# KiCad board AnalogFNN.kicad_pcb (continued)
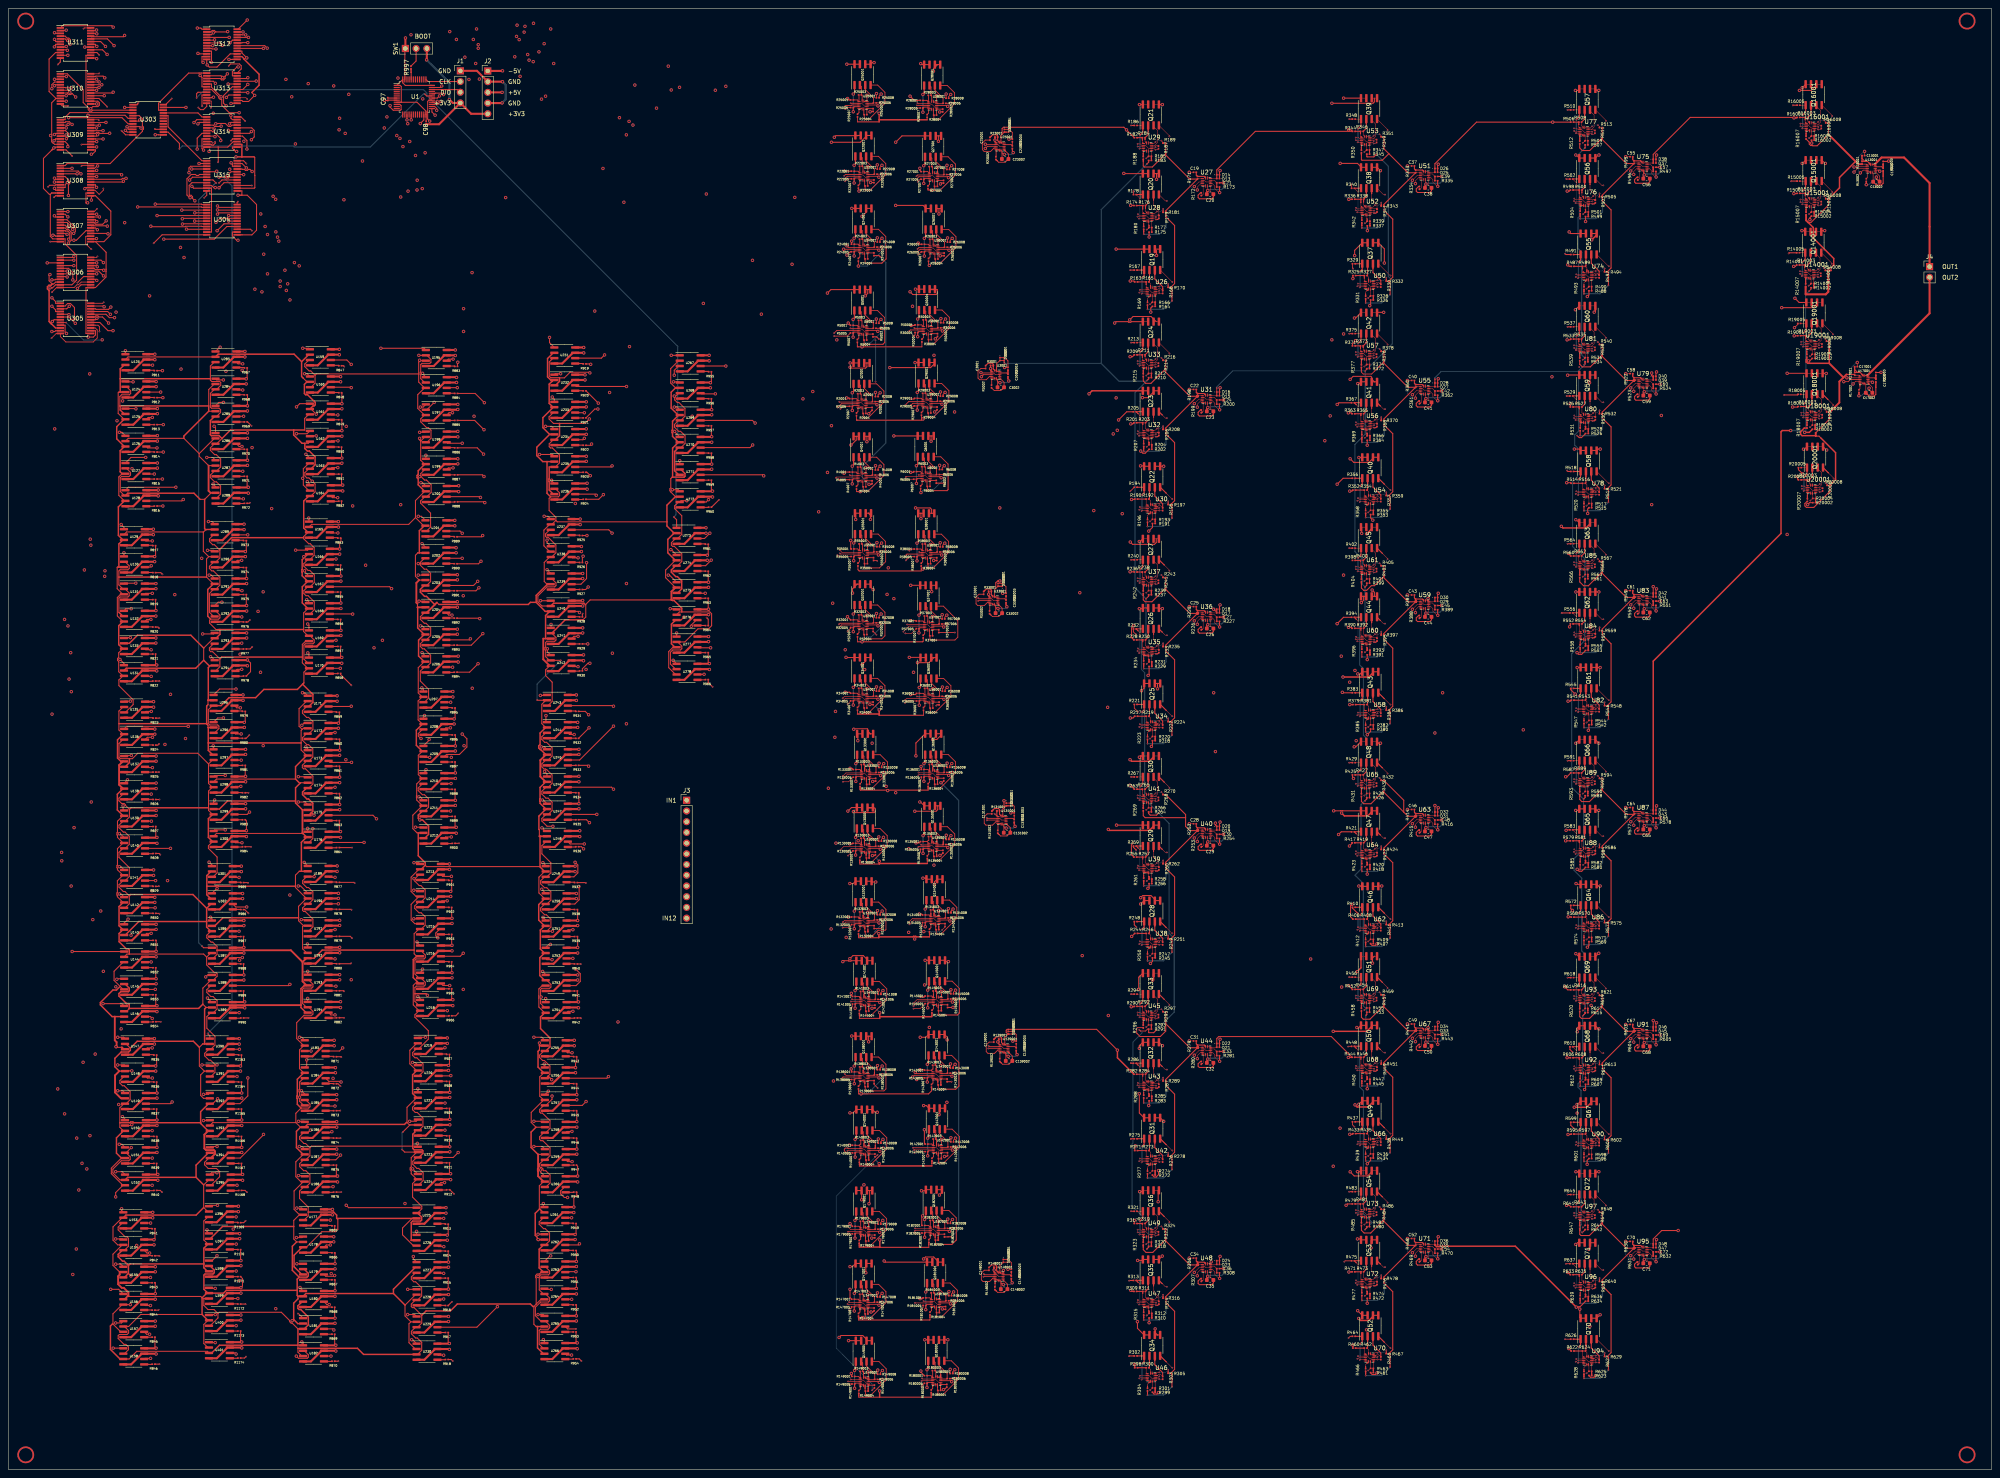
[diagram p0: board, top side]
## Routing (per net, layer and track width the routed paths; a pad name or vN(x,y) marks a point on that pad's centre or on a via; arc(x,y) is an arc through that point) (continued)
Net-(Q65B-S2): length 8.5
  Top w0.1: 376.1,146.79 376.1,147.84 374.83,149.11 374.83,151.73 ; 374.5,146.86 375.97,146.86
  Top w0.25: 375.97,146.86 376.03,146.86 376.1,146.79 ; 374.5,146.86 U88.11 ; 374.83,150.42 374.83,150.42 Q65.3
  Top w0.35: 376.1,146.79 R584.2
Net-(Q66A-G1): length 5.7
  Top w0.1: U89.14 372.82,164.34 R589.2
  Top w0.25: R589.2 373.56,165.95 373.56,167.04 ; 373.56,167.04 373.56,167.04 Q66.2 ; 373.56,167.04 373.56,168.13
Net-(Q66A-S1): length 7.3
  Top w0.1: R591.2 372.27,168.11 ; v2(371.5,162.61) U89.4
  Top w0.25: v2(371.6,165.81) 372.29,166.5 372.29,167.32
  Bottom w0.25: v2(371.5,162.61) 371.6,162.71 v2(371.6,165.81)
Net-(Q66B-G2): length 15.1
  Top w0.1: v2(378.6,165.51) 378.6,165.64 Q66.4 ; v2(373.1,160.31) 373.18,160.31 R590.2 373.68,161.98 U89.7
  In1.Cu w0.1: v2(378.6,165.51) 378.6,162.61 376.3,160.31 v2(373.1,160.31)
Net-(Q66B-S2): length 6.9
  Top w0.1: 375.13,163.41 U89.11 ; 375.13,163.41 375.62,163.41 375.8,163.23 R592.2 ; 375.13,163.41 375.8,164.07 375.8,166.9 374.83,167.86
Net-(Q67A-G1): length 5.6
  Top w0.1: U90.14 374.1,79.18 373.76,79.52
  Top w0.25: 373.86,82.39 373.86,81.1 ; 373.86,81.1 373.86,79.71 R597.2 ; 373.86,81.1 Q67.2
Net-(Q67A-S1): length 8.3
  Top w0.1: v2(372,76.76) 372.15,76.91 U90.4
  Top w0.25: R599.2 372.57,82.36 ; v2(372.1,80.56) 372.59,81.06 372.59,81.72
  Bottom w0.25: v2(372,76.76) 372.1,76.86 v2(372.1,80.56)
Net-(Q67B-G2): length 17.4
  Top w0.1: U90.7 374.58,76.28 R598.2 374.08,74.26 v2(374,74.26) ; Q67.4 379.23,79.56 v2(379.3,79.56)
  In1.Cu w0.1: v2(374,74.26) 379.2,74.26 379.7,74.76 379.7,79.16 v2(379.3,79.56)
Net-(Q67B-S2): length 9.3
  Top w0.1: U90.11 375.77,77.71 376.02,77.96 376.52,77.96 R600.2
  Top w0.25: 375.13,82.39 375.13,81.33 ; 375.13,81.33 375.13,81.33 Q67.3 ; 375.13,81.33 375.13,80.27 377,78.4 R600.2 ; U90.11 375.72,77.71
Net-(Q68A-G1): length 5.8
  Top w0.1: R608.2 372.92,96.29 U92.14
  Top w0.25: 373.56,99.3 373.56,98.31 R608.2 ; 373.56,99.3 Q68.2 373.56,99.3
Net-(Q68A-S1): length 8.8
  Top w0.1: v2(371.6,98.46) 371.6,99.38 R610.2 ; v2(371.4,94.56) U92.4
  Top w0.25: 372.29,100.29 370.74,100.29
  Bottom w0.1: v2(371.4,94.56) 371.6,94.76 v2(371.6,98.46)
Net-(Q68B-G2): length 16.6
  Top w0.1: v2(378,98.76) 377.63,98.76 Q68.4 ; 373.7,93.79 373.7,92.54 ; v2(373.2,91.96) 373.28,91.96 R609.2
  Top w0.25: 373.7,93.79 373.7,93.79 U92.7
  Top w0.35: 373.7,93.05 373.78,92.97 R609.2
  In1.Cu w0.1: v2(373.2,91.96) 376.6,91.96 378.5,93.86 378.5,98.26 v2(378,98.76)
Net-(Q68B-S2): length 8.5
  Top w0.1: 376.1,95.35 376.1,96.4 374.83,97.66 374.83,100.29 ; 374.5,95.41 375.97,95.41
  Top w0.25: 374.5,95.41 U92.11 ; Q68.3 374.83,98.98 374.83,98.98 ; 375.97,95.41 376.03,95.41 376.1,95.35
  Top w0.35: 376.1,95.35 R611.2
Net-(Q69A-G1): length 5.7
  Top w0.1: U93.14 372.82,112.89 R616.2
  Top w0.25: Q69.2 373.56,115.6 373.56,115.6 ; R616.2 373.56,114.51 373.56,115.6 ; 373.56,115.6 373.56,116.69
Net-(Q69A-S1): length 7.3
  Top w0.1: v2(371.5,111.16) U93.4 ; R618.2 372.27,116.66
  Top w0.25: 372.29,115.87 372.29,115.06 v2(371.6,114.36)
  Bottom w0.25: v2(371.5,111.16) 371.6,111.26 v2(371.6,114.36)
Net-(Q69B-G2): length 15.1
  Top w0.1: U93.7 373.68,110.53 R617.2 373.18,108.86 v2(373.1,108.86) ; v2(378.6,114.06) 378.6,114.19 Q69.4
  In1.Cu w0.1: v2(378.6,114.06) 378.6,111.16 376.3,108.86 v2(373.1,108.86)
Net-(Q69B-S2): length 6.9
  Top w0.1: R619.2 375.8,111.78 375.62,111.96 375.13,111.96 ; 375.13,111.96 375.8,112.62 375.8,115.45 374.83,116.42 ; 375.13,111.96 U93.11
Net-(Q70A-G1): length 5.6
  Top w0.1: 373.76,28.08 374.1,27.74 U94.14
  Top w0.25: 373.86,29.66 373.86,28.26 R624.2 ; 373.86,29.66 373.86,30.94 ; 373.86,29.66 Q70.2
Net-(Q70A-S1): length 8.3
  Top w0.1: v2(372,25.32) 372.15,25.47 U94.4
  Top w0.25: v2(372.1,29.12) 372.59,29.61 372.59,30.28 ; R626.2 372.57,30.92
  Bottom w0.25: v2(372.1,29.12) 372.1,25.42 v2(372,25.32)
Net-(Q70B-G2): length 17.4
  Top w0.1: v2(374,22.82) 374.08,22.82 R625.2 374.58,24.84 U94.7 ; v2(379.3,28.12) 379.23,28.12 Q70.4
  In1.Cu w0.1: v2(379.3,28.12) 379.7,27.72 379.7,23.32 379.2,22.82 v2(374,22.82)
Net-(Q70B-S2): length 9.3
  Top w0.1: R627.2 376.52,26.51 376.02,26.51 375.77,26.27 U94.11
  Top w0.25: 375.13,29.88 375.13,28.82 377,26.96 R627.2 ; 375.13,29.88 375.13,30.94 ; 375.13,29.88 375.13,29.88 Q70.3 ; U94.11 375.72,26.27
Net-(Q71A-G1): length 5.8
  Top w0.1: R635.2 372.92,44.85 U96.14
  Top w0.25: 373.56,48.84 373.56,47.85 ; 373.56,47.85 373.56,46.86 R635.2 ; 373.56,47.85 373.56,47.85 Q71.2
Net-(Q71A-S1): length 8.8
  Top w0.1: v2(371.6,47.02) 371.6,47.94 R637.2 ; v2(371.4,43.12) U96.4
  Top w0.25: 372.29,48.84 370.74,48.84
  Bottom w0.1: v2(371.6,47.02) 371.6,43.32 v2(371.4,43.12)
Net-(Q71B-G2): length 16.6
  Top w0.1: v2(378,47.32) 377.63,47.32 Q71.4 ; v2(373.2,40.52) 373.28,40.52 R636.2 ; 373.7,41.1 373.7,42.34
  Top w0.25: 373.7,42.34 373.7,42.34 U96.7
  Top w0.35: R636.2 373.78,41.53 373.7,41.61
  In1.Cu w0.1: v2(373.2,40.52) 376.6,40.52 378.5,42.42 378.5,46.82 v2(378,47.32)
Net-(Q71B-S2): length 8.5
  Top w0.1: 374.5,43.97 375.97,43.97 ; 376.1,43.9 376.1,44.95 374.83,46.22 374.83,48.84
  Top w0.25: 374.83,47.53 374.83,47.53 Q71.3 ; 374.5,43.97 U96.11 ; 375.97,43.97 376.03,43.97 376.1,43.9
  Top w0.35: 376.1,43.9 R638.2
Net-(Q72A-G1): length 5.7
  Top w0.1: U97.14 372.82,61.45 R643.2
  Top w0.25: 373.56,64.15 373.56,64.15 Q72.2 ; 373.56,64.15 373.56,65.24 ; 373.56,64.15 373.56,63.06 R643.2
Net-(Q72A-S1): length 7.3
  Top w0.1: v2(371.5,59.72) U97.4 ; R645.2 372.27,65.22
  Top w0.25: 372.29,64.43 372.29,63.61 v2(371.6,62.92)
  Bottom w0.25: v2(371.5,59.72) 371.6,59.82 v2(371.6,62.92)
Net-(Q72B-G2): length 15.1
  Top w0.1: v2(378.6,62.62) 378.6,62.75 Q72.4 ; v2(373.1,57.42) 373.18,57.42 R644.2 373.68,59.09 U97.7
  In1.Cu w0.1: v2(373.1,57.42) 376.3,57.42 378.6,59.72 v2(378.6,62.62)
Net-(Q72B-S2): length 6.9
  Top w0.1: R646.2 375.8,60.34 375.62,60.52 375.13,60.52 ; 375.13,60.52 375.8,61.18 375.8,64.01 374.83,64.97 ; 375.13,60.52 U97.11
Net-(Q2001A-G1): length 4
  Top w0.2: U2001.14 202.09,254.97 R2003.2 201.91,257.12 Q2001.2
Net-(Q2001A-S1): length 8.8
  Top w0.2: R2005.2 200.21,252.35 U2001.4
  Top w0.25: v1(199.99,251.15) 199.99,252.13 ; v1(199.99,255.35) 200.28,255.64 Q2001.1
  Bottom w0.25: v1(199.99,255.35) v1(199.99,251.15)
Net-(Q2001B-G2): length 15.4
  Top w0.2: U2001.7 202.49,250.53 ; Q2001.4 205.76,257.48 207.49,255.75 207.49,253.16 203.78,249.45 202.59,249.45 202.59,250.43
Net-(Q2001B-S2): length 6.5
  Top w0.2: U2001.11 204.67,253.15 ; R2006.2 204.77,254.46 202.82,256.4 Q2001.3
Net-(Q4001A-G1): length 4
  Top w0.2: Q4001.2 201.91,239.72 R4003.2 202.09,237.57 U4001.14
Net-(Q4001A-S1): length 8.8
  Top w0.2: R4005.2 200.21,234.95 U4001.4
  Top w0.25: Q4001.1 200.28,238.25 v1(199.99,237.95) ; v1(199.99,233.75) 199.99,234.73
  Bottom w0.25: v1(199.99,237.95) v1(199.99,233.75)
Net-(Q4001B-G2): length 15.4
  Top w0.2: Q4001.4 205.76,240.07 207.49,238.35 207.49,235.76 203.78,232.05 202.59,232.05 202.59,233.03 ; U4001.7 202.49,233.13
Net-(Q4001B-S2): length 6.5
  Top w0.2: R4006.2 204.77,237.06 202.82,239 Q4001.3 ; U4001.11 204.67,235.75
Net-(Q5001A-G1): length 4
  Top w0.2: U5001.14 202.29,272.37 R5003.2 202.11,274.52 Q5001.2
Net-(Q5001A-S1): length 8.8
  Top w0.2: U5001.4 200.41,269.75 R5005.2
  Top w0.25: Q5001.1 200.49,273.05 v1(200.19,272.75) ; v1(200.19,268.55) 200.19,269.53
  Bottom w0.25: v1(200.19,272.75) v1(200.19,268.55)
Net-(Q5001B-G2): length 17.3
  Top w0.2: 207.69,270.56 207.69,273.15 205.97,274.88 Q5001.4 ; U5001.7 202.69,267.93 ; 202.79,267.83 202.79,266.85 203.98,266.85
  Top w0.25: 203.98,266.85 207.25,266.85 207.69,267.29 207.69,270.56
Net-(Q5001B-S2): length 6.5
  Top w0.2: Q5001.3 203.03,273.8 204.97,271.86 R5006.2 ; U5001.11 204.87,270.55
Net-(Q6001A-G1): length 4
  Top w0.2: Q6001.2 217.11,239.82 R6003.2 217.29,237.67 U6001.14
Net-(Q6001A-S1): length 8.8
  Top w0.2: R6005.2 215.41,235.05 U6001.4
  Top w0.25: v1(215.19,233.85) 215.19,234.83 ; v1(215.19,238.05) 215.49,238.34 Q6001.1
  Bottom w0.25: v1(215.19,238.05) v1(215.19,233.85)
Net-(Q6001B-G2): length 17.4
  Top w0.2: U6001.7 217.69,233.23 ; 217.79,233.13 217.79,232.15 218.98,232.15 ; 222.69,235.86 222.69,238.45 220.97,240.18 Q6001.4
  Top w0.25: 218.98,232.15 222.45,232.15 222.7,232.4 222.7,235.85 222.69,235.86
Net-(Q6001B-S2): length 6.5
  Top w0.2: R6006.2 219.97,237.16 218.03,239.11 Q6001.3 ; U6001.11 219.87,235.85
Net-(Q14001A-G1): length 6.3
  Top w0.1: 426.36,285.65 426.36,284.78 426.74,284.4
  Top w0.25: 427.11,287.49 Q14001.2 427.11,287.49 ; 427.11,287.49 427.11,286.4 426.36,285.65 ; R14003.2 426.36,285.26 426.36,285.25 ; 426.59,284.55 U14001.14
Net-(Q14001A-S1): length 7.3
  Top w0.1: v2(425.04,283.05) U14001.4 ; R14005.2 425.81,288.55
  Top w0.25: v2(425.14,286.25) 425.84,286.95 425.84,287.76
  Bottom w0.25: v2(425.04,283.05) 425.14,283.15 v2(425.14,286.25)
Net-(Q14001B-G2): length 15.3
  Top w0.1: U14001.7 427.22,282.42 427.22,281.25 426.72,280.75 v2(426.64,280.75) ; v2(432.14,285.95) 432.14,286.08 Q14001.4
  Top w0.25: 427.07,281.1 R14004.2
  In1.Cu w0.1: v2(432.14,285.95) 432.14,283.05 429.84,280.75 v2(426.64,280.75)
Net-(Q14001B-S2): length 6.9
  Top w0.1: 428.68,283.85 429.34,284.52 429.34,287.34 428.38,288.31 ; 428.68,283.85 U14001.11 ; 428.68,283.85 429.16,283.85 429.34,283.67 429.54,283.67
Net-(Q15001A-G1): length 6.3
  Top w0.1: 426.84,301.4 426.46,301.78 426.46,302.65
  Top w0.25: 426.46,302.65 427.21,303.4 427.21,304.49 ; 427.21,304.49 Q15001.2 427.21,304.49 ; 426.46,302.25 426.46,302.26 R15003.2 ; 426.69,301.55 U15001.14
Net-(Q15001A-S1): length 7.3
  Top w0.1: v2(425.14,300.05) U15001.4 ; R15005.2 425.91,305.55
  Top w0.25: 425.94,304.76 425.94,303.95 v2(425.24,303.25)
  Bottom w0.25: v2(425.14,300.05) 425.24,300.15 v2(425.24,303.25)
Net-(Q15001B-G2): length 15.3
  Top w0.1: U15001.7 427.32,299.42 427.32,298.25 426.82,297.75 v2(426.74,297.75) ; Q15001.4 432.24,303.08 v2(432.24,302.95)
  Top w0.25: 427.17,298.1 R15004.2
  In1.Cu w0.1: v2(432.24,302.95) 432.24,300.05 429.94,297.75 v2(426.74,297.75)
Net-(Q15001B-S2): length 6.9
  Top w0.1: 429.64,300.67 429.44,300.67 429.26,300.85 428.78,300.85 ; 428.78,300.85 U15001.11 ; 428.78,300.85 429.44,301.52 429.44,304.34 428.48,305.31
Net-(Q16001A-G1): length 6.3
  Top w0.1: 426.84,319.4 426.46,319.78 426.46,320.65
  Top w0.25: 426.46,320.25 426.46,320.26 R16003.2 ; 427.21,322.49 Q16001.2 427.21,322.49 ; 427.21,322.49 427.21,321.4 426.46,320.65 ; 426.69,319.55 U16001.14
Net-(Q16001A-S1): length 7.3
  Top w0.1: v2(425.14,318.05) U16001.4 ; R16005.2 425.91,323.55
  Top w0.25: v2(425.24,321.25) 425.94,321.95 425.94,322.76
  Bottom w0.25: v2(425.24,321.25) 425.24,318.15 v2(425.14,318.05)
Net-(Q16001B-G2): length 15.3
  Top w0.1: v2(432.24,320.95) 432.24,321.08 Q16001.4 ; v2(426.74,315.75) 426.82,315.75 427.32,316.25 427.32,317.42 U16001.7
  Top w0.25: 427.17,316.1 R16004.2
  In1.Cu w0.1: v2(432.24,320.95) 432.24,318.05 429.94,315.75 v2(426.74,315.75)
Net-(Q16001B-S2): length 6.9
  Top w0.1: 429.64,318.67 429.44,318.67 429.26,318.85 428.78,318.85 ; 428.78,318.85 U16001.11 ; 428.78,318.85 429.44,319.52 429.44,322.34 428.48,323.31
Net-(Q18001A-G1): length 5.7
  Top w0.1: R18003.2 426.68,251.23 U18001.14
  Top w0.25: 427.42,255.03 427.42,253.94 ; 427.42,253.94 427.42,253.94 Q18001.2 ; 427.42,253.94 427.42,252.84 R18003.2
Net-(Q18001A-S1): length 7.3
  Top w0.1: v2(425.36,249.5) U18001.4 ; R18005.2 426.13,255
  Top w0.25: v2(425.46,252.7) 426.15,253.39 426.15,254.21
  Bottom w0.25: v2(425.46,252.7) 425.46,249.6 v2(425.36,249.5)
Net-(Q18001B-G2): length 16.8
  Top w0.1: v2(432.46,252.4) 432.46,252.53 429.96,255.03 ; 427.5,248.91 427.54,248.87 R18004.2 427.04,247.2 v2(426.96,247.2)
  Top w0.25: 427.5,248.91 U18001.7 ; 431.21,253.78 Q18001.4
  In1.Cu w0.1: v2(426.96,247.2) 430.16,247.2 432.46,249.5 v2(432.46,252.4)
Net-(Q18001B-S2): length 6.9
  Top w0.1: 428.69,254.75 429.66,253.79 429.66,250.96 428.99,250.3 ; 428.99,250.3 429.48,250.3 429.66,250.12 R18006.2 ; 428.99,250.3 U18001.11
Net-(Q19001A-G1): length 5.7
  Top w0.1: R19003.2 426.63,268.03 U19001.14
  Top w0.25: 427.37,270.73 427.37,269.64 R19003.2 ; 427.37,270.73 Q19001.2 427.37,270.73
Net-(Q19001A-S1): length 7.3
  Top w0.1: v2(425.31,266.3) U19001.4 ; R19005.2 426.08,271.8
  Top w0.25: v2(425.41,269.5) 426.1,270.19 426.1,271.01
  Bottom w0.25: v2(425.41,269.5) 425.41,266.4 v2(425.31,266.3)
Net-(Q19001B-G2): length 15.3
  Top w0.1: U19001.7 427.49,265.67 R19004.2 426.99,264 v2(426.91,264) ; Q19001.4 432.41,269.33 v2(432.41,269.2)
  Top w0.25: 427.33,264.35 R19004.2
  In1.Cu w0.1: v2(432.41,269.2) 432.41,266.3 430.11,264 v2(426.91,264)
Net-(Q19001B-S2): length 6.9
  Top w0.1: U19001.11 428.94,267.1 ; 428.64,271.55 429.61,270.59 429.61,267.76 428.94,267.1 ; 428.94,267.1 429.43,267.1 429.61,266.92 R19006.2
Net-(Q20001A-G1): length 5.7
  Top w0.1: U20001.14 426.78,233.83 R20003.2
  Top w0.25: 427.52,236.53 427.52,235.44 R20003.2 ; 427.52,236.53 427.52,236.54 Q20001.2 ; 427.52,236.53 427.52,237.62
Net-(Q20001A-S1): length 7.3
  Top w0.1: v2(425.46,232.1) U20001.4 ; R20005.2 426.23,237.6
  Top w0.25: 426.25,236.81 426.25,236 v2(425.56,235.3)
  Bottom w0.25: v2(425.56,235.3) 425.56,232.2 v2(425.46,232.1)
Net-(Q20001B-G2): length 16.8
  Top w0.1: 430.06,237.62 432.56,235.13 v2(432.56,235) ; 427.6,231.51 427.64,231.47 R20004.2 427.14,229.8 v2(427.06,229.8)
  Top w0.25: 427.6,231.51 U20001.7 ; 431.31,236.38 Q20001.4
  In1.Cu w0.1: v2(427.06,229.8) 430.26,229.8 432.56,232.1 v2(432.56,235)
Net-(Q20001B-S2): length 6.9
  Top w0.1: 429.09,232.9 429.76,233.56 429.76,236.39 428.79,237.35 ; 429.09,232.9 U20001.11 ; 429.09,232.9 429.58,232.9 429.76,232.72 R20006.2
Net-(Q22001A-G1): length 4
  Top w0.2: Q22001.2 202.35,311.07 R22003.2 202.53,308.92 U22001.14
Net-(Q22001A-S1): length 8.8
  Top w0.2: U22001.4 200.65,306.3 R22005.2
  Top w0.25: v1(200.43,305.1) 200.43,306.08 ; 200.72,311.43 200.72,309.6 v1(200.43,309.3)
  Bottom w0.25: v1(200.43,309.3) v1(200.43,305.1)
Net-(Q22001B-G2): length 15.4
  Top w0.2: Q22001.4 206.2,311.43 207.93,309.7 207.93,307.11 204.22,303.4 203.03,303.4 203.03,304.38 ; U22001.7 202.93,304.48
Net-(Q22001B-S2): length 6.5
  Top w0.2: 203.26,311.43 203.26,310.35 205.21,308.41 R22006.2 ; U22001.11 205.11,307.1
Net-(Q24001A-G1): length 4
  Top w0.2: U24001.14 202.53,291.62 R24003.2 202.35,293.77 Q24001.2
Net-(Q24001A-S1): length 8.8
  Top w0.2: R24005.2 200.65,289 U24001.4
  Top w0.25: v1(200.43,287.8) 200.43,288.78 ; 200.72,294.12 200.72,292.3 v1(200.43,292)
  Bottom w0.25: v1(200.43,292) v1(200.43,287.8)
Net-(Q24001B-G2): length 17.1
  Top w0.2: Q24001.4 206.2,294.12 207.93,292.4 207.93,289.81 ; 204.22,286.1 203.03,286.1 203.03,287.08 ; U24001.7 202.93,287.18
  Top w0.25: 204.22,286.1 207,286.1 208,287.1 208,289.74 207.93,289.81
Net-(Q24001B-S2): length 6.5
  Top w0.2: 203.26,294.12 203.26,293.05 205.21,291.11 R24006.2 ; U24001.11 205.11,289.8
Net-(Q25001A-G1): length 4
  Top w0.2: U25001.14 202.33,325.82 R25003.2 202.15,327.97 Q25001.2
Net-(Q25001A-S1): length 8.8
  Top w0.2: R25005.2 200.45,323.2 U25001.4
  Top w0.25: Q25001.1 200.52,326.5 v1(200.23,326.2) ; v1(200.23,322) 200.23,322.98
  Bottom w0.25: v1(200.23,326.2) v1(200.23,322)
Net-(Q25001B-G2): length 15.4
  Top w0.2: Q25001.4 206,328.32 207.73,326.6 207.73,324.01 204.02,320.3 202.83,320.3 202.83,321.28 ; U25001.7 202.73,321.38
Net-(Q25001B-S2): length 6.5
  Top w0.2: U25001.11 204.91,324 ; R25006.2 205.01,325.31 203.06,327.25 Q25001.3
Net-(Q26001A-G1): length 4
  Top w0.2: U26001.14 219.16,291.6 R26003.2 218.98,293.75 Q26001.2
Net-(Q26001A-S1): length 8.8
  Top w0.2: R26005.2 217.28,288.98 U26001.4
  Top w0.25: v1(217.06,291.98) 217.36,292.27 Q26001.1 ; v1(217.06,287.77) 217.06,288.75
  Bottom w0.25: v1(217.06,291.98) v1(217.06,287.77)
Net-(Q26001B-G2): length 15.4
  Top w0.2: 219.66,287.06 219.66,286.07 220.85,286.07 224.56,289.79 224.56,292.38 222.84,294.1 Q26001.4 ; U26001.7 219.56,287.15
Net-(Q26001B-S2): length 6.5
  Top w0.2: U26001.11 221.74,289.77 ; R26006.2 221.84,291.08 219.9,293.03 Q26001.3
Net-(Q27001A-G1): length 4
  Top w0.2: Q27001.2 218.85,310.97 R27003.2 219.03,308.82 U27001.14
Net-(Q27001A-S1): length 8.8
  Top w0.2: R27005.2 217.15,306.2 U27001.4
  Top w0.25: v1(216.93,309.2) 217.22,309.5 217.22,311.32 ; v1(216.93,305) 216.93,305.98
  Bottom w0.25: v1(216.93,309.2) v1(216.93,305)
Net-(Q27001B-G2): length 15.4
  Top w0.2: 219.53,304.28 219.53,303.3 220.72,303.3 224.43,307.01 224.43,309.6 222.7,311.32 Q27001.4 ; U27001.7 219.43,304.38
Net-(Q27001B-S2): length 6.5
  Top w0.2: U27001.11 221.61,307 ; R27006.2 221.71,308.31 219.76,310.25 219.76,311.32
Net-(Q28001A-G1): length 4
  Top w0.2: Q28001.2 218.65,327.87 R28003.2 218.83,325.72 U28001.14
Net-(Q28001A-S1): length 8.8
  Top w0.2: U28001.4 216.95,323.1 R28005.2
  Top w0.25: Q28001.1 217.02,326.39 v1(216.73,326.1) ; v1(216.73,321.9) 216.73,322.88
  Bottom w0.25: v1(216.73,326.1) v1(216.73,321.9)
Net-(Q28001B-G2): length 15.4
  Top w0.2: 219.33,321.18 219.33,320.2 220.52,320.2 224.23,323.91 224.23,326.5 222.5,328.23 Q28001.4 ; U28001.7 219.23,321.28
Net-(Q28001B-S2): length 6.5
  Top w0.2: R28006.2 221.51,325.21 219.56,327.15 Q28001.3 ; U28001.11 221.41,323.9
Net-(Q29001A-G1): length 4
  Top w0.2: U29001.14 217.49,255.07 R29003.2 217.31,257.22 Q29001.2
Net-(Q29001A-S1): length 8.8
  Top w0.2: U29001.4 215.61,252.45 R29005.2
  Top w0.25: v1(215.39,255.45) 215.69,255.75 Q29001.1 ; v1(215.39,251.25) 215.39,252.23
  Bottom w0.25: v1(215.39,255.45) v1(215.39,251.25)
Net-(Q29001B-G2): length 15.4
  Top w0.2: 217.99,250.53 217.99,249.55 219.18,249.55 222.89,253.26 222.89,255.85 221.16,257.57 Q29001.4 ; U29001.7 217.89,250.63
Net-(Q29001B-S2): length 6.5
  Top w0.2: Q29001.3 218.22,256.5 220.17,254.56 R29006.2 ; U29001.11 220.07,253.25
Net-(Q30001A-G1): length 4
  Top w0.2: U30001.14 217.59,272.47 R30003.2 217.41,274.62 Q30001.2
Net-(Q30001A-S1): length 8.8
  Top w0.2: U30001.4 215.71,269.85 R30005.2
  Top w0.25: Q30001.1 215.78,273.14 v1(215.49,272.85) ; v1(215.49,268.65) 215.49,269.63
  Bottom w0.25: v1(215.49,272.85) v1(215.49,268.65)
Net-(Q30001B-G2): length 15.4
  Top w0.2: Q30001.4 221.26,274.98 222.99,273.25 222.99,270.66 219.28,266.95 218.09,266.95 218.09,267.93 ; U30001.7 217.99,268.03
Net-(Q30001B-S2): length 6.5
  Top w0.2: R30006.2 220.27,271.96 218.32,273.9 Q30001.3 ; U30001.11 220.17,270.65
Net-(Q32001A-G1): length 4
  Top w0.2: U32001.14 202.33,202.52 R32003.2 202.15,204.67 Q32001.2
Net-(Q32001A-S1): length 8.8
  Top w0.2: U32001.4 200.45,199.9 R32005.2
  Top w0.25: Q32001.1 200.52,203.19 v1(200.23,202.9) ; v1(200.23,198.7) 200.23,199.68
  Bottom w0.25: v1(200.23,202.9) v1(200.23,198.7)
Net-(Q32001B-G2): length 17.1
  Top w0.2: 202.83,197.98 202.83,197 207,197 207.73,197.73 207.73,203.3 206,205.03 Q32001.4 ; U32001.7 202.73,198.08
Net-(Q32001B-S2): length 6.5
  Top w0.2: U32001.11 204.91,200.7 ; Q32001.3 203.06,203.96 205.01,202.01 R32006.2
Net-(Q34001A-G1): length 4
  Top w0.2: Q34001.2 202.15,187.27 R34003.2 202.33,185.12 U34001.14
Net-(Q34001A-S1): length 8.8
  Top w0.2: U34001.4 200.45,182.5 R34005.2
  Top w0.25: Q34001.1 200.52,185.79 v1(200.23,185.5) ; v1(200.23,181.3) 200.23,182.28
  Bottom w0.25: v1(200.23,185.5) v1(200.23,181.3)
Net-(Q34001B-G2): length 15.4
  Top w0.2: U34001.7 202.73,180.68 ; Q34001.4 206,187.62 207.73,185.9 207.73,183.31 204.02,179.6 202.83,179.6 202.83,180.58
Net-(Q34001B-S2): length 6.5
  Top w0.2: U34001.11 204.91,183.3 ; Q34001.3 203.06,186.56 205.01,184.61 R34006.2
Net-(Q35001A-G1): length 4
  Top w0.2: Q35001.2 202.25,221.5 R35003.2 202.43,219.34 202.43,218.07
Net-(Q35001A-S1): length 8.8
  Top w0.2: U35001.4 200.55,216.72 R35005.2
  Top w0.25: Q35001.1 200.63,220.02 v1(200.33,219.72) ; v1(200.33,215.53) 200.33,216.5
  Bottom w0.25: v1(200.33,219.72) v1(200.33,215.53)
Net-(Q35001B-G2): length 16.8
  Top w0.2: Q35001.4 206.11,221.85 207.83,220.12 207.83,217.53 207.9,217.47 207.9,215.3 206.43,213.82 202.93,213.82 202.93,214.81 ; U35001.7 202.83,214.91
Net-(Q35001B-S2): length 6.5
  Top w0.2: Q35001.3 203.17,220.78 205.11,218.84 R35006.2 ; U35001.11 205.01,217.53
Net-(Q36001A-G1): length 4
  Top w0.2: U36001.14 217.96,185.09 R36003.2 217.78,187.25 Q36001.2
Net-(Q36001A-S1): length 8.8
  Top w0.2: 217.21,182.47 216.08,182.47 215.88,182.28
  Top w0.25: v1(215.86,185.47) 216.16,185.77 Q36001.1 ; v1(215.86,181.28) 215.86,182.25
  Bottom w0.25: v1(215.86,185.47) v1(215.86,181.28)
Net-(Q36001B-G2): length 15.4
  Top w0.2: 218.46,180.56 218.46,179.57 219.65,179.57 223.36,183.28 223.36,185.88 221.64,187.6 Q36001.4 ; U36001.7 218.36,180.66
Net-(Q36001B-S2): length 6.5
  Top w0.2: R36006.2 220.64,184.59 218.7,186.53 Q36001.3 ; U36001.11 220.54,183.28
Net-(Q37001A-G1): length 4
  Top w0.2: Q37001.2 217.72,204.4 R37003.2 217.9,202.25 U37001.14
Net-(Q37001A-S1): length 8.8
  Top w0.2: U37001.4 216.02,199.62 R37005.2
  Top w0.25: Q37001.1 216.09,202.92 v1(215.8,202.62) ; v1(215.8,198.43) 215.8,199.41
  Bottom w0.25: v1(215.8,202.62) v1(215.8,198.43)
Net-(Q37001B-G2): length 19.6
  Top w0.2: 218.4,197.71 218.4,196.72 224.32,196.72 225,197.4 225,201.3 223.3,203 223.3,203.03 221.57,204.75 Q37001.4 ; U37001.7 218.3,197.81
Net-(Q37001B-S2): length 6.5
  Top w0.2: R37006.2 220.58,201.74 218.63,203.68 Q37001.3 ; U37001.11 220.48,200.43
Net-(Q38001A-G1): length 4
  Top w0.2: 216.89,221.82 217.25,221.47 R38003.2 217.43,219.32 U38001.14
Net-(Q38001A-S1): length 8.8
  Top w0.2: R38005.2 215.55,216.7 U38001.4
  Top w0.25: v1(215.33,219.7) 215.62,220 215.62,221.82 ; v1(215.33,215.5) 215.33,216.48
  Bottom w0.25: v1(215.33,219.7) v1(215.33,215.5)
Net-(Q38001B-G2): length 15.4
  Top w0.2: 217.93,214.78 217.93,213.8 219.12,213.8 222.83,217.51 222.83,220.1 221.1,221.82 219.43,221.82 ; U38001.7 217.83,214.88
Net-(Q38001B-S2): length 6.5
  Top w0.2: R38006.2 220.11,218.81 218.16,220.75 218.16,221.82 ; U38001.11 220.01,217.5
Net-(Q130001A-G1): length 5.6
  Top w0.2: 202.87,148.28 202.87,149.54 R130003.2 202.69,151.69 Q130001.2
  Top w0.25: 202.87,148.91 202.87,148.28 ; 202.69,150.7 R130003.2
Net-(Q130001A-S1): length 9.8
  Top w0.2: R130005.2 200.99,146.93 202.12,146.93
  Top w0.25: v1(200.77,149.93) 201.07,150.22 201.07,151.13 ; 201.07,151.14 Q130001.1 201.07,151.13 ; v1(200.77,145.72) 200.77,146.71 ; 202.12,146.93 U130001.4
  Bottom w0.25: v1(200.77,149.93) v1(200.77,145.72)
Net-(Q130001B-G2): length 16
  Top w0.2: 203.37,145 203.37,144.03 204.56,144.03 208.27,147.74 208.27,150.32 206.55,152.05 Q130001.4 ; U130001.7 203.27,145.1
  Top w0.25: 203.27,145.74 U130001.7
Net-(Q130001B-S2): length 5.9
  Top w0.2: 205.45,147.72 U130001.11 ; R130006.2 205.55,149.03 203.61,150.98 203.61,151.51
Net-(Q132001A-G1): length 5.6
  Top w0.2: U132001.14 202.57,132.07 R132003.2 202.39,134.22 202.03,134.57
  Top w0.25: 202.39,133.23 R132003.2 ; 202.57,131.44 202.57,131.43 U132001.14
Net-(Q132001A-S1): length 9.8
  Top w0.2: R132005.2 200.69,129.45 U132001.4
  Top w0.25: v1(200.47,132.45) 200.76,132.75 200.76,133.66 ; 200.76,133.66 200.76,133.66 Q132001.1 ; 200.76,133.66 200.76,134.57 ; v1(200.47,128.25) 200.47,129.23
  Bottom w0.25: v1(200.47,132.45) v1(200.47,128.25)
Net-(Q132001B-G2): length 17.3
  Top w0.2: U132001.7 202.97,127.63 ; 203.07,127.53 203.07,126.55 204.77,126.55 206.12,127.9 207.8,127.9 207.97,128.07 207.97,132.85 206.24,134.57 Q132001.4
  Top w0.25: U132001.7 202.97,128.27 202.97,128.26
Net-(Q132001B-S2): length 5.9
  Top w0.2: 203.3,134.04 203.3,133.5 205.25,131.56 R132006.2 ; 205.15,130.25 U132001.11
Net-(Q133001A-G1): length 5.6
  Top w0.2: Q133001.2 202.76,169.17 R133003.2 202.94,167.02 U133001.14
  Top w0.25: 202.76,168.18 R133003.2 ; 202.94,166.38 U133001.14
Net-(Q133001A-S1): length 9.8
  Top w0.2: R133005.2 201.06,164.4 U133001.4
  Top w0.25: 201.13,168.61 201.13,167.69 v1(200.84,167.4) ; 201.13,168.61 Q133001.1 201.13,168.61 ; v1(200.84,163.2) 200.84,164.18
  Bottom w0.25: v1(200.84,167.4) v1(200.84,163.2)
Net-(Q133001B-G2): length 16
  Top w0.2: U133001.7 203.34,162.58 ; Q133001.4 206.61,169.53 208.34,167.8 208.34,165.21 204.63,161.5 203.44,161.5 203.44,162.48
  Top w0.25: 203.34,163.22 U133001.7
Net-(Q133001B-S2): length 5.9
  Top w0.2: R133006.2 205.62,166.51 203.67,168.46 203.67,168.99 ; 205.52,165.2 U133001.11
Net-(Q134001A-G1): length 5.6
  Top w0.2: Q134001.2 219.19,134.69 R134003.2 219.37,132.54 219.37,131.28
  Top w0.25: 219.37,131.91 219.37,131.28 ; 219.19,133.7 R134003.2
Net-(Q134001A-S1): length 9.8
  Top w0.2: R134005.2 217.49,129.93 218.62,129.93
  Top w0.25: v1(217.27,132.93) 217.57,133.22 217.57,134.13 ; 217.57,134.13 Q134001.1 217.57,134.14 ; 218.62,129.93 U134001.4 ; v1(217.27,128.72) 217.27,129.71
  Bottom w0.25: v1(217.27,132.93) v1(217.27,128.72)
Net-(Q134001B-G2): length 16
  Top w0.2: U134001.7 219.77,128.1 ; Q134001.4 223.05,135.05 224.77,133.32 224.77,130.74 221.06,127.03 219.87,127.03 219.87,128
  Top w0.25: 219.77,128.74 U134001.7
Net-(Q134001B-S2): length 5.9
  Top w0.2: R134006.2 222.05,132.03 220.11,133.98 220.11,134.51 ; 221.95,130.72 U134001.11